# Altium PCB PCB1.PcbDoc (part 1 of 2) (continued)
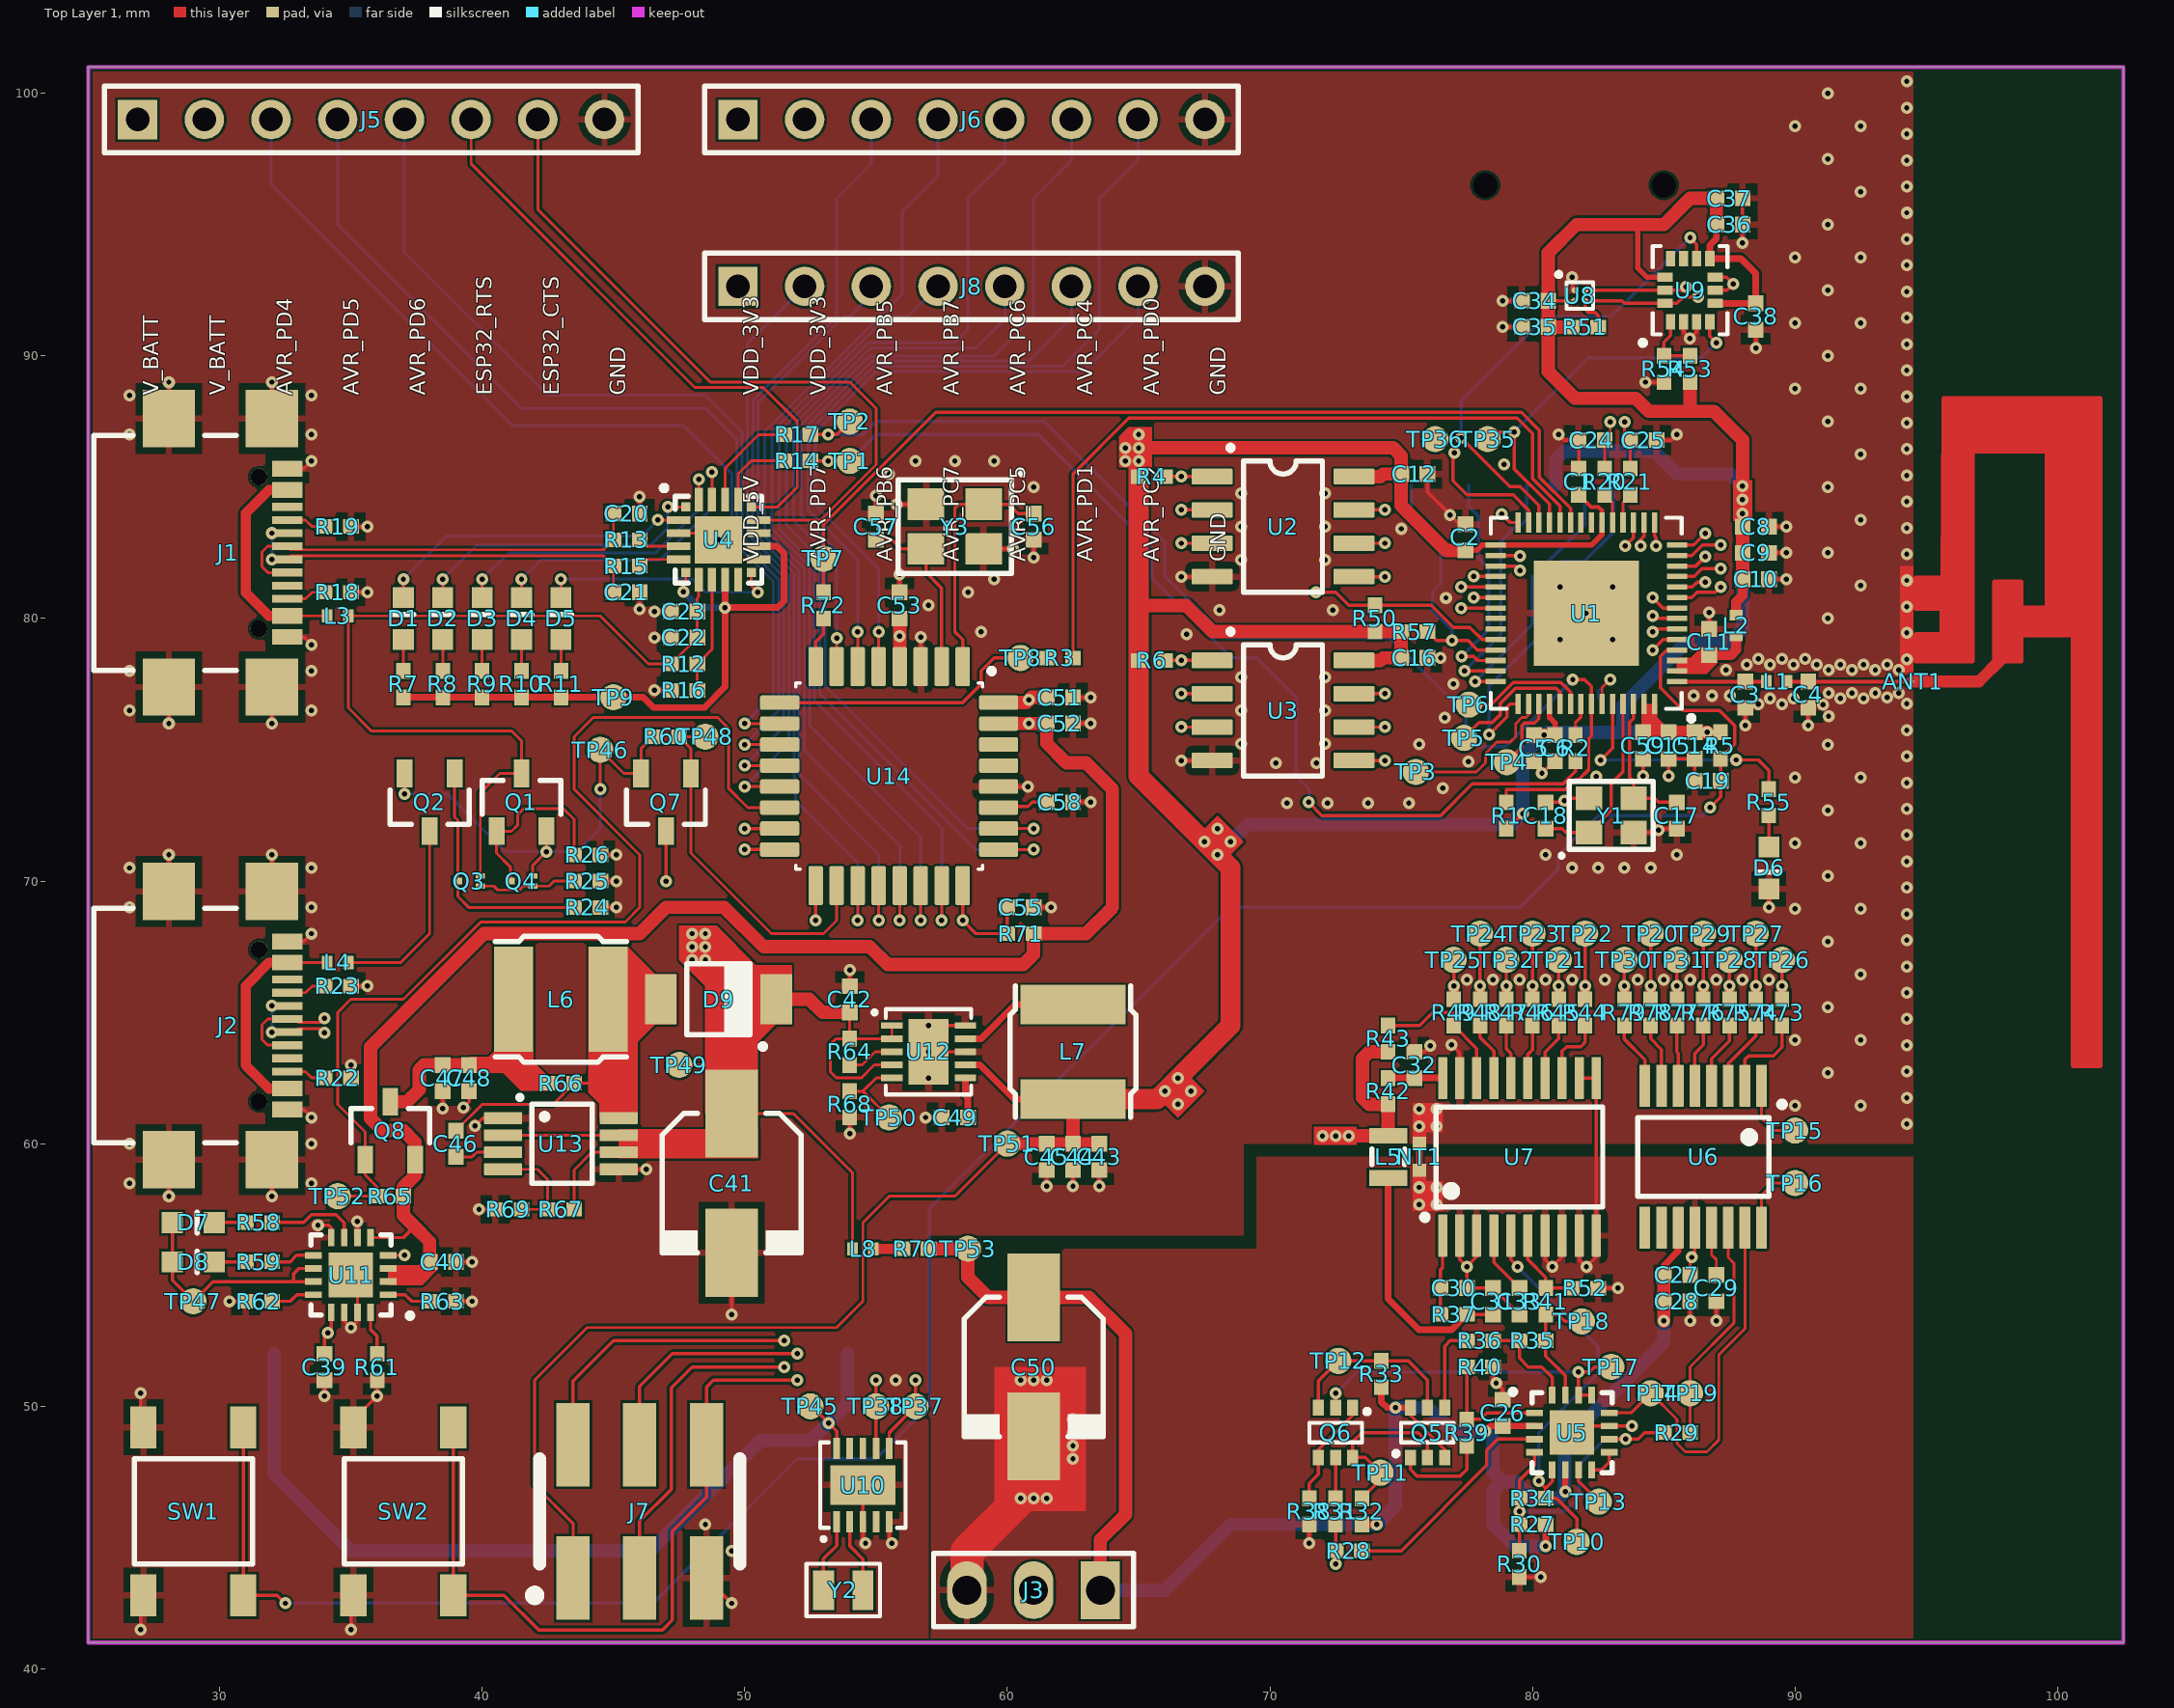
[diagram p0: Top Layer 1 view]
## Footprints (in the part's own frame and the unit in brackets; to place one, negate y for a bottom-side part, rotate by r counter-clockwise, add the part's x,y. Pads: shape width x height; smd on the part's side, far side on the other; paste and mask are expansions set on the pad) (continued)
  rect 1.7x1.7 smd mask+0.05: 17(0,0)
  silkscreen extent -2.35,-1.53 1.53,1.65, body extent -1.52,-1.55 1.52,1.49, height 0.9
IC,QFN-20,3x3,PAD [mm] "Silicon Labs CP2102N-A02-GQFN20"
  rect 0.35x0.35 smd mask+0.05: 1(-1.25,1.25) 6(-1.25,-1.25) 11(1.25,-1.25) 16(1.25,1.25)
  rect 0.9x0.3 smd mask+0.05: 2(-1.525,0.75) 3(-1.525,0.25) 4(-1.525,-0.25) 5(-1.525,-0.75) 12(1.525,-0.75) 13(1.525,-0.25) 14(1.525,0.25) 15(1.525,0.75)
  rect 0.3x0.9 smd mask+0.05: 7(-0.75,-1.525) 8(-0.25,-1.525) 9(0.25,-1.525) 10(0.75,-1.525) 17(0.75,1.525) 18(0.25,1.525) 19(-0.25,1.525) 20(-0.75,1.525)
  rect 1.8x1.8 smd mask+0.05: 21(0,0)
  silkscreen extent -2.17,-1.65 1.65,2.07, body extent -1.5,-1.5 1.5,1.5, height 0.62
IC,QFN-56,7X7,P0.4MM [mil] "Espressif Systems ESP32-S2"
  rect 30x8 smd paste+0 mask+0: 1(-136,102.36) 2(-136,86.61) 3(-136,70.87) 4(-136,55.12) 5(-136,39.37) 6(-136,23.62) 7(-136,7.87) 8(-136,-7.87) 9(-136,-23.62) 10(-136,-39.37) 11(-136,-55.12) 12(-136,-70.87) 13(-136,-86.61) 14(-136,-102.36) 29(136,-102.36) 30(136,-86.61) 31(136,-70.87) 32(136,-55.12) 33(136,-39.37) 34(136,-23.62) 35(136,-7.87) 36(136,7.87) 37(136,23.62) 38(136,39.37) 39(136,55.12) 40(136,70.87) 41(136,86.61) 42(136,102.36)
  rect 8x30 smd paste+0 mask+0: 15(-102.36,-136) 16(-86.61,-136) 17(-70.87,-136) 18(-55.12,-136) 19(-39.37,-136) 20(-23.62,-136) 21(-7.87,-136) 22(7.87,-136) 23(23.62,-136) 24(39.37,-136) 25(55.12,-136) 26(70.87,-136) 27(86.61,-136) 28(102.36,-136) 43(102.36,136) 44(86.61,136) 45(70.87,136) 46(55.12,136) 47(39.37,136) 48(23.62,136) 49(7.87,136) 50(-7.87,136) 51(-23.62,136) 52(-39.37,136) 53(-55.12,136) 54(-70.87,136) 55(-86.61,136) 56(-102.36,136)
  rect 158x158 smd paste-78.5 mask+0: 57(0,0)
  silkscreen extent -161,-143 143,161, body extent -139,-139 139,139, height 35
IC,SOIC-8,1.27mm,W3.9 [mm] "Texas Instruments NE5532APSR"
  rrect10% 1.55x0.6 smd mask+0.05: 1(-2.7,1.905) 2(-2.7,0.635) 3(-2.7,-0.635) 4(-2.7,-1.905) 5(2.7,-1.905) 6(2.7,-0.635) 7(2.7,0.635) 8(2.7,1.905)
  silkscreen extent -2.07,-2.5 1.5,3.07, body extent -3,-2.45 3,2.45, height 1.5
IC,TQFP-32,7x7,P0.8MM [mm] "Microchip Technology ATMEGA8U2-AURCT-ND"
  rrect25% 1.49x0.55 smd: 1(-4.17,2.8) 2(-4.17,2) 3(-4.17,1.2) 4(-4.17,0.4) 5(-4.17,-0.4) 6(-4.17,-1.2) 7(-4.17,-2) 8(-4.17,-2.8) 17(4.17,-2.8) 18(4.17,-2) 19(4.17,-1.2) 20(4.17,-0.4) 21(4.17,0.4) 22(4.17,1.2) 23(4.17,2) 24(4.17,2.8)
  rrect25% 0.55x1.49 smd: 9(-2.8,-4.17) 10(-2,-4.17) 11(-1.2,-4.17) 12(-0.4,-4.17) 13(0.4,-4.17) 14(1.2,-4.17) 15(2,-4.17) 16(2.8,-4.17) 25(2.8,4.17) 26(2,4.17) 27(1.2,4.17) 28(0.4,4.17) 29(-0.4,4.17) 30(-1.2,4.17) 31(-2,4.17) 32(-2.8,4.17)
  silkscreen extent -4.1,-3.55 3.55,4, body extent -4.5,-4.5 4.5,4.5, height 1.45
IC,TSSOP-8,W3.0 [mm] "Texas Instruments LM393ADGKR"
  rrect10% 1.45x0.45 smd mask+0.05: 1(-2.2,0.975) 2(-2.2,0.325) 3(-2.2,-0.325) 4(-2.2,-0.975) 5(2.2,-0.975) 6(2.2,-0.325) 7(2.2,0.325) 8(2.2,0.975)
  silkscreen extent -1.61,-1.5 1.2,1.81, body extent -2.05,-1.55 2.05,1.55, height 1.1
IC,TSSOP-16,W3.9,P0.635MM [mm] "Texas Instruments PCM1780DBQR"
  rrect10% 1.6x0.41 smd mask+0.05: 1(-2.7,2.223) 2(-2.7,1.588) 3(-2.7,0.952) 4(-2.7,0.318) 5(-2.7,-0.318) 6(-2.7,-0.953) 7(-2.7,-1.587) 8(-2.7,-2.222) 9(2.7,-2.223) 10(2.7,-1.588) 11(2.7,-0.952) 12(2.7,-0.318) 13(2.7,0.318) 14(2.7,0.953) 15(2.7,1.587) 16(2.7,2.222)
  silkscreen extent -2.09,-2.5 1.5,3.09, body extent -3,-2.49 3,2.49, height 1.1
IC,TSSOP-20,W4.4 [mm] "Texas Instruments SN74LVC244APWR"
  rrect10% 1.6x0.35 smd mask+0.05: 1(-3,2.925) 2(-3,2.275) 3(-3,1.625) 4(-3,0.975) 5(-3,0.325) 6(-3,-0.325) 7(-3,-0.975) 8(-3,-1.625) 9(-3,-2.275) 10(-3,-2.925) 11(3,-2.925) 12(3,-2.275) 13(3,-1.625) 14(3,-0.975) 15(3,-0.325) 16(3,0.325) 17(3,0.975) 18(3,1.625) 19(3,2.275) 20(3,2.925)
  silkscreen extent -2.39,-3.18 1.9,3.69, body extent -3.27,-3.3 3.28,3.3, height 1.2
IC,WLP,2x2,P0.4mm [mm] "Memsic Inc. MMC5633NJL"
  round 0.23 smd mask+0.05: A1(0,0) A2(0.4,0) B1(0,-0.4) B2(0.4,-0.4)
  silkscreen extent -0.67,-0.7 0.7,0.67, body extent -0.24,-0.64 0.64,0.24, height 0.61
ind,0402 [mm] "Murata LQW15AN9N1G00D"
  rect 0.4x0.5 smd: 1(-0.4,0) 2(0.4,0)
  body extent -0.56,-0.26 0.56,0.26, height 0.65
IND,0402 [mm] "Murata LQW15AN9N1G00D"
  rect 0.4x0.5 smd: 1(-0.4,0) 2(0.4,0)
  body extent -0.56,-0.26 0.56,0.26, height 0.65
IND,0805 [mm] "Taiyo Yuden LBR2012T100K"
  rect 0.6x1.45 smd mask+0.05: 1(-0.8,0) 2(0.8,0)
  silkscreen extent -0.3,-0.63 0.3,0.63, body extent -1,-0.62 1,0.63, height 0.49
IND,WIREWOUND,4.9x4.9,SMD [mm] "Taiyo Yuden NRS5030T4R7MMGJV"
  rect 1.5x4 smd mask+0.05: 1(-1.8,0) 2(1.8,0)
  silkscreen extent -2.5,-2.4 2.5,2.4, body extent -2.45,-2.45 2.45,2.45, height 3
LED,0603 [mm] "Stanley Electric Co THG1111C-0005-TR"
  rect 0.8x0.8 smd mask+0.05: 1(-0.8,0) 2(0.8,0)
  silkscreen extent 0.15,-0.4 0.15,0.4, body extent -0.81,-0.37 0.84,0.36, height 0.68
"Net Tie,20x60mil" [mil] "Net Tie,20x60mil,10mil Track"
  rect 20x20 smd mask+4: 1(-20,0) 2(20,0)
  Top Layer 1 lines w10: 20,0 -20,0
RES,0402 [mm] "Yageo RC0402FR-0722RL"
  rect 0.6x0.55 smd: 1(-0.5,0) 2(0.5,0)
  body extent -0.5,-0.25 0.5,0.25, height 0.35
SOD128 [mm] "Nexperia PMEG6030EVPX"
  rect 1.2x1.9 smd mask+0.05: 1(-2.2,0) 2(2.2,0)
  silkscreen extent -1.76,-1.35 1.2,1.88, body extent -2.5,-1.35 2.5,1.35, height 1.1
SOT23-3 [mm] "Texas Instruments TL431BIDBZR"
  rect 1.05x0.6 smd: 1(-1.1,0.95) 2(-1.1,-0.95) 3(1.1,0)
  silkscreen extent -0.46,-1.5 0.84,1.5, body extent -1.25,-1.46 1.23,1.46, height 1
SOT363 [mm] "Diodes Incorporated BCM847BS-7"
  rect 0.6x0.42 smd mask+0.05: 1(-0.95,0.65) 2(-0.95,0) 3(-0.95,-0.65) 4(0.95,-0.65) 5(0.95,0) 6(0.95,0.65)
  silkscreen extent -0.88,-1 0.38,1.28, body extent -1.05,-1 1.05,1, height 0.92
SOT1123 [mm] "ON Semiconductor NST3904F3T5G"
  rect 0.34x0.2 smd: 1(-0.43,0.19) 2(-0.43,-0.19)
  rect 0.34x0.26 smd: 3(0.43,0)
  body extent -0.51,-0.3 0.51,0.3, height 0.4
Switch,Tactile,Micro,SPST-NO,SMD [mm] "C&K PTS645SK43SMTR92 LFS"
  rect 1.6x1 smd mask+0.05: 1(-3.2,1.9) 2(3.2,1.9) 3(-3.2,-1.9) 4(3.2,-1.9)
  silkscreen extent -2,-2.25 2,2.25, body extent -3.2,-2.6 3.2,2.6, height 1.5
Term,Header,3Pin,2.54mm [mm] "Würth Elektronik 61300311121"
  rect 1.5x2.2 hole 1.1 mask+0.05: 1(-2.54,0)
  oval 1.5x2.2 hole 1.1 mask+0.05: 2(0,0) 3(2.54,0)
  silkscreen extent -3.81,-1.4 3.81,1.4, body extent -3.81,-1.27 3.81,1.27, height 8.57
TERM,HEADER,3X2PIN,P2.54,SMD [mm] "Amphenol ICC (FCI) 10129383-906002ALF"
  rect 3.18x1.27 smd mask+0.05: 1(-2.54,2.54) 2(-2.54,0) 3(-2.54,-2.54) 4(2.54,-2.54) 5(2.54,0) 6(2.54,2.54)
  silkscreen extent -3.32,-3.81 2,4.12, body extent -3.68,-3.81 3.68,3.81, height 11.78
Term,Header,8Pin,2.54mm [mm] "Würth Elektronik 61300811121"
  rect 1.5x1.5 hole 0.9: 1(0,0)
  round 1.5 hole 0.9: 2(2.54,0) 3(5.08,0) 4(7.62,0) 5(10.16,0) 6(12.7,0) 7(15.24,0) 8(17.78,0)
  silkscreen extent -1.27,-1.27 19.05,1.27, body extent -1.26,-1.27 19.06,1.27, height 8.57
testpoint,smd,round,1mm [mm]
  round 1 smd: 1(0,0)
XTAL,SMD,2PIN,2.0x1.2MM [mm] "Micro Crystal AG CM8V-T1A-32.768KHZ-9PF-20PPM-TA-QC"
  rect 0.8x1.5 smd: 1(-0.75,0) 2(0.75,0)
  silkscreen extent -1.4,-1 1.4,1, body extent -1,-0.6 1,0.6, height 0.6
"XTAL,SMD,4 Pin" [mm] "Abracon ABM8G-12.000MHZ-4Y-T3"
  rect 1.4x1.2 smd: 1(-1.1,-0.85) 2(1.1,-0.85) 3(1.1,0.85) 4(-1.1,0.85)
  silkscreen extent -2.59,-2.08 2.16,1.78, body extent -1.6,-1.24 1.6,1.24, height 0.99
"XTAL,SMD,4 Pin,2x2.5mm" [mm] "Hosonic Electronic Co., Ltd E2SB40E000104E"
  rect 1x0.9 smd: 1(-0.85,-0.65) 2(0.85,-0.65) 3(0.85,0.65) 4(-0.85,0.65)
  silkscreen extent -1.94,-1.58 1.6,1.3, body extent -1.25,-1 1.25,1, height 0.65

## Part data
ANT1: library part ANT,2.45GHz,IFA,PCB, "2.4-GHz Inverted F Antenna", Manufacturer=N/A, CreatedBy="Judd Foster", HelpURL=https://www.ti.com/lit/an/swru120d/swru120d.pdf?ts=1646240772720&ref_url=https%253A%252F%252Fwww.google.com%252F, Manufacturer Part Number=N/A, Vendor=N/A, Vendor Part Number=N/A
B1: library part Holder,Cell,CR2032,PCB,SMD, "Battery Retainer Coin, 20.0mm 1 Cell SMD (SMT) Tab", Manufacturer="Keystone Electronics", Manufacturer Part Number=3034, Vendor Part Number=36-3034-ND, CreatedBy="Judd Foster", HelpURL=https://www.keyelco.com/userAssets/file/M65p9.pdf, Vendor=Digikey
C1 C2 C6 C10 C11 C12 C16 C23 C26 C27 C30 C32 C34 C36 C38 C49 C52 C53: library part CAP,Cer,100nF,25VDC,X7R,0402, "0.1µF ±10% 25V Ceramic Capacitor X7R 0402 (1005 Metric)", Manufacturer="Murata Electronics", Manufacturer Part Number=GRM155R71E104KE14J, Vendor Part Number=490-14603-1-ND, CreatedBy="Judd Foster", HelpURL=https://search.murata.co.jp/Ceramy/image/img/A01X/G101/ENG/GRM155R71E104KE14-01.pdf, Vendor=Digikey
C3 C46: library part CAP,Cer,4.8pF,50VDC,C0G/NP0,0402, "4.8 pF ±0.25pF 50V Ceramic Capacitor C0G, NP0 0402 (1005 Metric)", Manufacturer="Murata Electronics", Manufacturer Part Number=GCQ1555C1H4R8CB01D, Vendor Part Number=490-17481-1-ND, CreatedBy="Judd Foster", HelpURL=https://search.murata.co.jp/Ceramy/image/img/A01X/G101/ENG/GCQ1555C1H4R8CB01-01.pdf, Vendor=Digikey
C4: library part CAP,Cer,3.9pF,50VDC,C0G/NP0,0402, "3.9 pF ±0.1pF 50V Ceramic Capacitor C0G, NP0 0402 (1005 Metric)", Manufacturer=KEMET, Manufacturer Part Number=CBR04C399B5GAC, Vendor Part Number=399-CBR04C399B5GACCT-ND, CreatedBy="Judd Foster", HelpURL=https://api.kemet.com/component-edge/download/datasheet/CBR04C399B5GAC.pdf, Vendor=Digikey
C5 C9 C14 C31 C35 C37 C39 C55 C58: library part CAP,Cer,1uF,35VDC,X5R,0402, "1 µF ±10% 35V Ceramic Capacitor X5R 0402 (1005 Metric)", Manufacturer="TDK Corporation", Manufacturer Part Number=C1005X5R1V105K050BC, Vendor Part Number=445-9073-1-ND, CreatedBy="Judd Foster", HelpURL=https://product.tdk.com/info/en/catalog/datasheets/mlcc_commercial_general_en.pdf?ref_disty=digikey, Vendor=Digikey
C8 C28 C29 C33 C42 C43 C44 C45 C47 C48 C51: library part CAP,Cer,10uF,10VDC,X5R,0402, "10 µF ±20% 10V Ceramic Capacitor X5R 0402 (1005 Metric)", Manufacturer="Samsung Electro-Mechanics", Manufacturer Part Number=CL05A106MP5NUNC, Vendor Part Number=1276-1450-1-ND, CreatedBy="Judd Foster", HelpURL=https://media.digikey.com/pdf/Data%20Sheets/Samsung%20PDFs/CL05A106MP5NUNC_Spec.pdf, Vendor=Digikey
C15 C59: library part CAP,Cer,100pF,50VDC,C0G/NP0,0402, "100pF ±5% 50V Ceramic Capacitor C0G, NP0 0402 (1005 Metric)", Manufacturer="Murata Electronics", Manufacturer Part Number=GCM1555C1H101JA16D, Vendor Part Number=490-10669-1-ND, CreatedBy="Judd Foster", HelpURL=https://www.murata.com/~/media/webrenewal/support/library/catalog/products/capacitor/mlcc/c03e.ashx?la=en-us, Vendor=Digikey
C17 C18 C56 C57: library part CAP,Cer,12pF,50VDC,C0G/NP0,0402, "12pF ±5% 50V Ceramic Capacitor C0G, NP0 0402 (1005 Metric)", Manufacturer=Yageo, Manufacturer Part Number=CC0402JRNPO9BN120, Vendor Part Number=311-1016-1-ND, CreatedBy="Judd Foster", HelpURL=https://www.yageo.com/upload/media/product/productsearch/datasheet/mlcc/UPY-GP_NP0_16V-to-50V_18.pdf, Vendor=Digikey
C19: library part CAP,Cer,1uF,6.3VDC,X5R,0402, "1µF ±20% 6.3V Ceramic Capacitor X5R 0402 (1005 Metric)", Manufacturer="Samsung Electro-Mechanics", Manufacturer Part Number=CL05A105MQ5NNNC, Vendor Part Number=1276-1235-1-ND, CreatedBy="Judd Foster", HelpURL=https://media.digikey.com/pdf/Data%20Sheets/Samsung%20PDFs/CL_Series_MLCC_ds.pdf, Vendor=Digikey
C20 C21: library part CAP,Cer,47pF,50VDC,C0G/NP0,0402, "47pF ±5% 50V Ceramic Capacitor C0G, NP0 0402 (1005 Metric)", Manufacturer="Walsin Technology Corporation", Manufacturer Part Number=0402N470J500CT, Vendor Part Number=1292-1325-1-ND, CreatedBy="Judd Foster", HelpURL=http://www.passivecomponent.com/wp-content/uploads/2018/10/MLCC.pdf, Vendor=Digikey
C22 C40: library part CAP,Cer,4.7uF,16VDC,X5R,0402, "4.7 µF ±20% 16V Ceramic Capacitor X5R 0402 (1005 Metric)", Manufacturer="AVX Corporation", Manufacturer Part Number=0402YD475MAT2A, Vendor Part Number=478-10788-1-ND, CreatedBy="Judd Foster", HelpURL=https://datasheets.avx.com/cx5r.pdf, Vendor=Digikey
C24 C25: library part CAP,Cer,22pF,25VDC,C0G/NP0,0402, "22pF ±5% 25V Ceramic Capacitor C0G, NP0 0402 (1005 Metric)", Manufacturer="Walsin Technology Corporation", Manufacturer Part Number=0402N220J250CT, Vendor Part Number=1292-1282-1-ND, CreatedBy="Judd Foster", HelpURL=http://www.passivecomponent.com/wp-content/uploads/ecd/0402N220J250CT-IN.pdf, Vendor=Digikey
C41 C50: library part CAP,Alum,100uF,10VDC,SMD, "CAP ALUM 100UF 20% 10V SMD", Manufacturer=Panasonic, Manufacturer Part Number=EEE-1AA101WR, Vendor Part Number=PCE3867CT-ND, CreatedBy="Judd Foster", HelpURL=https://media.digikey.com/pdf/Data%20Sheets/Panasonic%20Electronic%20Components/S_Series,Type_V_Rev2018.pdf, Vendor=Digikey
D1 D2 D3 D4 D5 D6 D7 D8: library part LED,Green,SMD,0603, "Green 530nm LED Indication - Discrete 3V 0603 (1608 Metric)", Manufacturer="Stanley Electric Co", Manufacturer Part Number=THG1111C-0005-TR, Vendor Part Number=404-1286-1-ND, CreatedBy="Judd Foster", HelpURL=http://www.stanley-components.com/php/downloaddatafile.php?rp=0,THG1111C-0005_e.pdf, Vendor=Digikey
D9: library part DIODE,Schottky,40V,3A,SMD, "Diode Schottky 40V 3A Surface Mount CFP5", Manufacturer="Nexperia USA Inc.", Vendor Part Number=1727-5841-1-ND, CreatedBy="Judd Foster", HelpURL=https://assets.nexperia.com/documents/data-sheet/PMEG4030EP.pdf, Manufacturer Part Number=PMEG4030EP,115, Vendor=Digikey
J1 J2: library part Conn,USB_C,SMD, "USB-C (USB TYPE-C) USB 2.0 Receptacle Connector 24 (16+8 Dummy) Position Surface Mount, Right Angle", Manufacturer=GCT, Manufacturer Part Number=USB4110-GF-A, Vendor Part Number=2073-USB4110-GF-A-1-ND, CreatedBy="Judd Foster", HelpURL=https://gct.co/files/drawings/usb4110.pdf, Vendor=Digikey
J3: "CONN HEADER VERT 3POS 2.54MM", Manufacturer="Würth Elektronik", Manufacturer Part Number=61300311121, Vendor Part Number=732-5316-ND, Created By="Judd Foster", HelpURL=https://katalog.we-online.de/em/datasheet/6130xx11121.pdf, Vendor=Digikey
J4: library part Conn,MicroSD,SMD,Push-Push, "9 (8 + 1) Position Card Connector Secure Digital - microSD™ Surface Mount, Right Angle Gold", Manufacturer=GCT, Manufacturer Part Number=MEM2075-00-140-01-A, Vendor Part Number=2073-MEM2075-00-140-01-ACT-ND, CreatedBy="Judd Foster", HelpURL=https://gct.co/files/specs/MEM2075-SPEC.pdf, Vendor=Digikey
J5 J6 J8: "CONN HEADER VERT 8POS 2.54MM", Manufacturer="Würth Elektronik", Manufacturer Part Number=61300811121, Vendor Part Number=732-5321-ND, Created By="Judd Foster", HelpURL=https://katalog.we-online.de/em/datasheet/6130xx11121.pdf, Vendor=Digikey
J7: "Connector Header Surface Mount 6 position 0.100\" (2.54mm)", Manufacturer="Amphenol ICC (FCI)", Manufacturer Part Number=10129383-906002ALF, Vendor Part Number=609-10129383-906002ALFCT-ND, CreatedBy="Judd Foster", HelpURL=https://cdn.amphenol-icc.com/media/wysiwyg/files/drawing/10129383.pdf, Vendor=Digikey
L1: library part IND,1.8nH,900mA,Multilayer,0402, "1.8 nH Unshielded Multilayer Inductor 900 mA 100mOhm Max 0402 (1005 Metric)", Manufacturer="Murata Electronics", Manufacturer Part Number=LQG15HN1N8S02D, Vendor Part Number=490-1076-1-ND, CreatedBy="Judd Foster", HelpURL=https://search.murata.co.jp/Ceramy/image/img/P02/JELF243B-0009.pdf, Vendor=Digikey
L2: library part IND,2.7nH,800mA,Multilayer,0402, "2.7nH Unshielded Multilayer Inductor 800mA 150mOhm Max 0402 (1005 Metric)", Manufacturer="Murata Electronics", Manufacturer Part Number=LQG15HS2N7S02D, Vendor Part Number=490-2615-1-ND, CreatedBy="Judd Foster", HelpURL=https://psearch.en.murata.com/inductor/product/LQG15HS2N7S02_.pdf, Vendor=Digikey
L3 L4 L8: library part Ferrite,470R@100MHz,0402, "470 Ohms @ 100 MHz 1 Power Line Ferrite Bead 0402 (1005 Metric) 1A 200mOhm", Manufacturer="Murata Electronics", Manufacturer Part Number=BLM15PX471SN1D, Vendor Part Number=490-10662-1-ND, CreatedBy="Judd Foster", HelpURL=https://www.murata.com/en-us/products/productdata/8796740059166/ENFA0018.pdf, Vendor=Digikey
L5: library part IND,4.7uH,80mA,Multilayer,0805, "4.7 µH Shielded Multilayer Inductor 80 mA 300mOhm 0805 (2012 Metric)", Manufacturer="TDK Corporation", Manufacturer Part Number=MLZ2012E4R7MT000, Vendor Part Number=445-3169-1-ND, CreatedBy="Judd Foster", HelpURL=https://product.tdk.com/en/system/files?file=dam/doc/product/inductor/inductor/smd/catalog/inductor_commercial_decoupling_mlz2012_en.pdf, Vendor=Digikey
L6 L7: library part IND,4.7uH,2.6A,Wirewound,SMD, "4.7µH Shielded Wirewound Inductor 2.6A 45.5mOhm Max Nonstandard", Manufacturer="Taiyo Yuden", Manufacturer Part Number=NRS5030T4R7MMGJV, Vendor Part Number=587-3605-1-ND, CreatedBy="Judd Foster", HelpURL=https://ds.yuden.co.jp/TYCOMPAS/ut/detail?pn=NRS5030T4R7MMGJV%20%20&u=M, Vendor=Digikey
NT1: Manufacturer=N/A, CreatedBy="Makan Mousavi", HelpURL=N/A, Manufacturer Part Number=N/A, Vendor=N/A, Vendor Part Number=N/A
Q1 Q2 Q7 Q8: library part "MOSFET,P Ch,20V,3.2A", "P-Channel 20 V 3.2A (Ta) 1.4W (Ta) Surface Mount SOT-23-3", Manufacturer="Diodes Incorporated", Vendor Part Number=DMP2160UDICT-ND, CreatedBy="Judd Foster", HelpURL=https://media.digikey.com/pdf/Data%20Sheets/Diodes%20PDFs/DMP2160U.pdf, Manufacturer Part Number=DMP2160U-7, Vendor=Digikey
Q3 Q4: library part Trans,PNP,40V,200mA,SOT1123, "Bipolar (BJT) Transistor PNP 40 V 200 mA 250MHz 290 mW Surface Mount SOT-1123", Manufacturer="ON Semiconductor", Vendor Part Number=NST3906F3T5GOSCT-ND, CreatedBy="Judd Foster", HelpURL=https://www.onsemi.com/pdf/datasheet/nst3906f3-d.pdf, Manufacturer Part Number=NST3906F3T5G, Vendor=Digikey
Q5 Q6: library part Trans,Array,NPN/NPN,Matched,45V,100mA,SOT-363, "Bipolar (BJT) Transistor Array 2 NPN (Dual) Matched Pair 45V 100mA 100MHz 200mW Surface Mount SOT-363", Manufacturer="Diodes Incorporated", Vendor Part Number=31-BCM847BS-7CT-ND, CreatedBy="Judd Foster", HelpURL=https://www.diodes.com/assets/Datasheets/BCM847BS.pdf, Manufacturer Part Number=BCM847BS-7, Vendor=Digikey
R1 R4 R5 R6 R24 R25 R26 R43 R57 R60 R63 R65 R71: library part RES,10k,5%,0.063W,0402, "10 kOhms ±5% 0.063W, 1/16W Chip Resistor 0402 (1005 Metric) Automotive AEC-Q200 Thick Film", Manufacturer="Stackpole Electronics Inc", Manufacturer Part Number=RMCF0402JT10K0, Vendor Part Number=RMCF0402JT10K0CT-ND, CreatedBy="Judd Foster", HelpURL=https://www.seielect.com/catalog/sei-rmcf_rmcp.pdf, Vendor=DIgikey
R2 R3 R72: library part RES,499R,1%,0.063W,0402, "499 Ohms ±1% 0.063W, 1/16W Chip Resistor 0402 (1005 Metric) Automotive AEC-Q200 Thick Film", Manufacturer="Stackpole Electronics Inc", Manufacturer Part Number=RMCF0402FT499R, Vendor Part Number=RMCF0402FT499RCT-ND, CreatedBy="Judd Foster", HelpURL=https://www.seielect.com/catalog/sei-rmcf_rmcp.pdf, Vendor=Digikey
R7 R8 R9 R10 R11 R55: library part RES,150R,1%,0.1W,0402, "150 Ohms ±1% 0.063W, 1/16W Chip Resistor 0402 (1005 Metric) Automotive AEC-Q200, Moisture Resistant Thick Film", Manufacturer="TE Connectivity Passive Product", Manufacturer Part Number=CRGCQ0402F150R, Vendor Part Number=A129617CT-ND, CreatedBy="Judd Foster", HelpURL=https://www.te.com/commerce/DocumentDelivery/DDEController?Action=srchrtrv&DocNm=1773204-3&DocType=DS&DocLang=English, Vendor=Digikey
R12 R35 R40: library part RES,22k,1%,0.063W,0402, "22 kOhms ±1% 0.063W, 1/16W Chip Resistor 0402 (1005 Metric) Automotive AEC-Q200 Thick Film", Manufacturer="Stackpole Electronics Inc", Manufacturer Part Number=RMCF0402FT22K0, Vendor Part Number=RMCF0402FT22K0CT-ND, CreatedBy="Judd Foster", HelpURL=https://www.seielect.com/catalog/sei-rmcf_rmcp.pdf, Vendor=DIgikey
R13 R15: library part RES,27R,5%,0.063W,0402, "27 Ohms ±5% 0.063W, 1/16W Chip Resistor 0402 (1005 Metric) Automotive AEC-Q200 Thick Film", Manufacturer="Stackpole Electronics Inc", Manufacturer Part Number=RMCF0402JT27R0, Vendor Part Number=RMCF0402JT27R0CT-ND, CreatedBy="Judd Foster", HelpURL=https://www.seielect.com/catalog/sei-rmcf_rmcp.pdf, Vendor=DIgikey
R14 R17 R20 R21 R28 R31 R53 R54: library part RES,0R0,0.1W,0402, "0 Ohms Jumper 0.1W, 1/10W Chip Resistor 0402 (1005 Metric) Automotive AEC-Q200 Thick Film", Manufacturer="Panasonic Electronic Components", Manufacturer Part Number=ERJ-2GE0R00X, Vendor Part Number=P0.0JCT-ND, CreatedBy="Judd Foster", HelpURL=https://industrial.panasonic.com/cdbs/www-data/pdf/RDA0000/AOA0000C301.pdf, Vendor=Digikey
R16 R38: library part RES,47k,1%,0.1W,0402, "47 kOhms ±1% 0.1W, 1/10W Chip Resistor 0402 (1005 Metric) Automotive AEC-Q200 Thick Film", Manufacturer="Panasonic Electronic Components", Manufacturer Part Number=ERJ-2RKF4702X, Vendor Part Number=P47.0KLCT-ND, CreatedBy="Judd Foster", HelpURL=https://industrial.panasonic.com/cdbs/www-data/pdf/RDA0000/AOA0000C304.pdf, Vendor=Digikey
R18 R19 R22 R23: library part RES,5k11,1%,0.063W,0402, "5.11 kOhms ±1% 0.063W, 1/16W Chip Resistor 0402 (1005 Metric) Automotive AEC-Q200, Moisture Resistant Thick Film", Manufacturer=Yageo, Manufacturer Part Number=AC0402FR-075K11L, Vendor Part Number=13-AC0402FR-075K11LCT-ND, CreatedBy="Judd Foster", HelpURL=https://www.yageo.com/upload/media/product/productsearch/datasheet/rchip/PYu-AC_51_RoHS_L_7.pdf, Vendor=Digikey
R27 R30 R36 R39 R52: library part RES,1k,5%,0.063W,0402, "1 kOhms ±5% 0.063W, 1/16W Chip Resistor 0402 (1005 Metric) Automotive AEC-Q200 Thick Film", Manufacturer="Stackpole Electronics Inc", Manufacturer Part Number=RMCF0402JT1K00, Vendor Part Number=RMCF0402JT1K00CT-ND, CreatedBy="Judd Foster", HelpURL=https://www.seielect.com/catalog/sei-rmcf_rmcp.pdf, Vendor=DIgikey
R29 R32 R33: library part RES,56k,1%,0.063W,0402, "56 kOhms ±1% 0.1W, 1/10W Chip Resistor 0402 (1005 Metric) Automotive AEC-Q200 Thick Film", Manufacturer="Panasonic Electronic Components", Manufacturer Part Number=ERJ-2RKF5602X, Vendor Part Number=P56.0KLCT-ND, CreatedBy="Judd Foster", HelpURL=https://industrial.panasonic.com/cdbs/www-data/pdf/RDA0000/AOA0000C304.pdf, Vendor=Digikey
R34 R67: library part RES,300k,1%,0.063W,0402, "300 kOhms ±1% 0.063W, 1/16W Chip Resistor 0402 (1005 Metric) Automotive AEC-Q200 Thick Film", Manufacturer="Stackpole Electronics Inc", Manufacturer Part Number=RMCF0402FT300K, Vendor Part Number=RMCF0402FT300KCT-ND, CreatedBy="Judd Foster", HelpURL=https://www.seielect.com/catalog/sei-rmcf_rmcp.pdf, Vendor=Digikey
R37 R42 R44 R45 R46 R47 R48 R49 R70 R73 R74 R75 R76 R77 R78 R79: library part RES,10R,1%,0.063W,0402, "10 Ohms ±1% 0.063W, 1/16W Chip Resistor 0402 (1005 Metric) Automotive AEC-Q200 Thick Film", Manufacturer="Panasonic Electronic Components", Manufacturer Part Number=ERJ-2RKF10R0X, Vendor Part Number=P10.0LCT-ND, CreatedBy="Judd Foster", HelpURL=https://industrial.panasonic.com/cdbs/www-data/pdf/RDA0000/AOA0000C304.pdf, Vendor=Digikey
R41 R58 R59: library part RES,560R,1%,0.063W,0402, "560 Ohms ±1% 0.063W, 1/16W Chip Resistor 0402 (1005 Metric) Automotive AEC-Q200, Moisture Resistant Thick Film", Manufacturer="TE Connectivity Passive Product", Manufacturer Part Number=CRGCQ0402F560R, Vendor Part Number=A129624CT-ND, CreatedBy="Judd Foster", HelpURL=https://www.te.com/commerce/DocumentDelivery/DDEController?Action=srchrtrv&DocNm=1773204-3&DocType=DS&DocLang=English, Vendor=Digikey
R50 R51: library part RES,2k55,1%,0.063W,0402, "2.55 kOhms ±1% 0.063W, 1/16W Chip Resistor 0402 (1005 Metric) Automotive AEC-Q200 Thick Film", Manufacturer="Stackpole Electronics Inc", Manufacturer Part Number=RMCF0402FT2K55, Vendor Part Number=RMCF0402FT2K55CT-ND, CreatedBy="Judd Foster", HelpURL=https://www.seielect.com/catalog/sei-rmcf_rmcp.pdf, Vendor=Digikey
R61: library part RES,1k13,1%,0.063W,0402, "1.13 kOhms ±1% 0.063W, 1/16W Chip Resistor 0402 (1005 Metric) Automotive AEC-Q200 Thick Film", Manufacturer="Stackpole Electronics Inc", Manufacturer Part Number=RMCF0402FT1K13, Vendor Part Number=RMCF0402FT1K13CT-ND, CreatedBy="Judd Foster", HelpURL=https://www.seielect.com/catalog/sei-rmcf_rmcp.pdf, Vendor=Digikey
R62: library part RES,1k18,1%,0.063W,0402, "1.18 kOhms ±1% 0.063W, 1/16W Chip Resistor 0402 (1005 Metric) Automotive AEC-Q200 Thick Film", Manufacturer="Stackpole Electronics Inc", Manufacturer Part Number=RMCF0402FT1K18, Vendor Part Number=RMCF0402FT1K18CT-ND, CreatedBy="Judd Foster", HelpURL=https://www.seielect.com/catalog/sei-rmcf_rmcp.pdf, Vendor=Digikey
R64 R68 R69: library part RES,100k,5%,0.1W,0402, "100 kOhms ±5% 0.1W, 1/10W Chip Resistor 0402 (1005 Metric) Automotive AEC-Q200 Thick Film", Manufacturer="Panasonic Electronic Components", Manufacturer Part Number=ERJ-2GEJ104X, Vendor Part Number=P100KJCT-ND, CreatedBy="Judd Foster", HelpURL=https://b2b-api.panasonic.eu/file_stream/pids/fileversion/1242, Vendor=Digikey
R66: library part RES,75k,0.1%,0.063W,0402, "75 kOhms ±0.1% 0.063W, 1/16W Chip Resistor 0402 (1005 Metric) - Thin Film", Manufacturer=YAGEO, Manufacturer Part Number=RT0402BRE0775KL, Vendor Part Number=YAG4414CT-ND, CreatedBy="Judd Foster", HelpURL=https://www.yageo.com/upload/media/product/productsearch/datasheet/rchip/PYu-RT_1-to-0.01_RoHS_L_12.pdf, Vendor=DIgikey
SW1 SW2: library part Switch,Tactile,SPST-NO,SMD,H1.5, "Tactile Switch SPST-NO Top Actuated Surface Mount", Manufacturer=C&K, Manufacturer Part Number="PTS525SM15SMTR2 LFS", Vendor Part Number=CKN9104CT-ND, CreatedBy="Judd Foster", HelpURL=https://www.ckswitches.com/media/1467/pts525.pdf, Vendor=Digikey
TP1 TP2 TP3 TP4 TP5 TP6 TP7 TP8 TP9 TP10 TP11 TP12 TP13 TP14 TP15 TP16 TP17 TP18 TP19 TP20 TP21 TP22 TP23 TP24 TP25 TP26 TP27 TP28 TP29 TP30 TP31 TP32 TP35 TP36 TP37 TP38 TP39 TP40 TP41 TP42 TP43 TP44 TP45 TP46 TP47 TP48 TP49 TP50 TP51 TP52 TP53: "PCB Testpoint", Manufacturer=N/A, CreatedBy="Judd Foster", HelpURL=N/A, Manufacturer Part Number=N/A, Vendor=N/A, Vendor Part Number=N/A
U1: "IC RF TxRx + MCU Bluetooth, WiFi 802.11b/g/n, Bluetooth v5.0 2.412GHz ~ 2.484GHz 56-VFQFN Exposed Pad", Manufacturer="Espressif Systems", Vendor Part Number=1904-ESP32-S3R8-ND, CreatedBy="Judd Foster", HelpURL=https://www.espressif.com/sites/default/files/documentation/esp32-s3_datasheet_en.pdf, Manufacturer Part Number=ESP32-S3R8, Vendor=Digikey
U2: "SRAM Memory IC 1Mb (128K x 8) SPI - Quad I/O 16 MHz 8-SOIC", Manufacturer="Microchip Technology", Vendor Part Number=23LC1024-E/SN-ND, CreatedBy="Judd Foster", HelpURL=https://ww1.microchip.com/downloads/en/DeviceDoc/20005142C.pdf, Manufacturer Part Number=23LC1024-E/SN, Vendor=Digikey
U3: "FLASH - NOR Memory IC 128Mb (16M x 8) SPI - Quad I/O 133 MHz 8-SOIC", Manufacturer="Adesto Technologies", Vendor Part Number=1265-1348-1-ND, CreatedBy="Judd Foster", HelpURL=https://www.dialog-semiconductor.com/sites/default/files/2021-02/DS-AT25SF128A-168.pdf, Manufacturer Part Number=AT25SF128A-SHB-T, Vendor=Digikey
U4: "USB Bridge, USB to UART USB 2.0 UART Interface 20-QFN (3x3)", Manufacturer="Silicon Labs", Vendor Part Number=336-5885-ND, CreatedBy="Judd Foster", HelpURL=https://www.silabs.com/documents/public/data-sheets/cp2102n-datasheet.pdf, Manufacturer Part Number=CP2102N-A02-GQFN20, Vendor=Digikey
U5: "General Purpose Amplifier 4 Circuit Rail-to-Rail 16-WQFN (3x3)", Manufacturer="Texas Instruments", Vendor Part Number=296-51829-1-ND, CreatedBy="Judd Foster", HelpURL=https://www.ti.com/general/docs/suppproductinfo.tsp?distId=10&gotoUrl=https%3A%2F%2Fwww.ti.com%2Flit%2Fgpn%2Ftlv9004, Manufacturer Part Number=TLV9004SIRTER, Vendor=Digikey
U6: "DAC, Audio 24 b 200k I²S 16-SSOP", Manufacturer="Texas Instruments", Vendor Part Number=296-41373-1-ND, CreatedBy="Judd Foster", HelpURL=https://www.ti.com/general/docs/suppproductinfo.tsp?distId=10&gotoUrl=https%3A%2F%2Fwww.ti.com%2Flit%2Fgpn%2Fpcm1780, Manufacturer Part Number=PCM1780DBQR, Vendor=Digikey
U7: "24 Bit Analog to Digital Converter 1 Input 1 Sigma-Delta 20-TSSOP", Manufacturer="Microchip Technology", Vendor Part Number=150-MCP3561RT-E/STCT-ND, CreatedBy="Judd Foster", HelpURL=https://ww1.microchip.com/downloads/en/DeviceDoc/MCP3561.2.4R-Data-Sheet-DS200006391A.pdf, Manufacturer Part Number=MCP3561RT-E/ST, Vendor=Digikey
U8: "Magnetoresistive Sensor X, Y, Z Axis 4-WLP (0.85x0.85)", Manufacturer="Memsic Inc.", Vendor Part Number=1267-MMC5633NJLCT-ND, CreatedBy="Judd Foster", HelpURL=https://media.digikey.com/pdf/Data%20Sheets/MEMSIC%20PDFs/MMC5633NJL_RevA_3-12-20.pdf, Manufacturer Part Number=MMC5633NJL, Vendor=Digikey
U9: "Accelerometer, Gyroscope, Temperature, 6 Axis Sensor I²C, SPI Output", Manufacturer=STMicroelectronics, Vendor Part Number=497-19784-1-ND, CreatedBy="Judd Foster", HelpURL=https://www.st.com/resource/en/datasheet/ism330dhcx.pdf, Manufacturer Part Number=ISM330DHCXTR, Vendor=Digikey
U10: "Real Time Clock (RTC) IC Clock/Calendar - I²C, 2-Wire Serial 10-XFDFN Exposed Pad", Manufacturer="NXP USA Inc.", Vendor Part Number=568-10235-1-ND, CreatedBy="Judd Foster", HelpURL=https://www.nxp.com/docs/en/data-sheet/PCF85063A.pdf, Manufacturer Part Number=PCF85063ATL/1,118, Vendor=Digikey
U11: "Charger IC Lithium Ion 16-VQFN (3x3)", Manufacturer="Texas Instruments", Vendor Part Number=296-52627-1-ND, CreatedBy="Judd Foster", HelpURL=https://www.ti.com/general/docs/suppproductinfo.tsp?distId=10&gotoUrl=https%3A%2F%2Fwww.ti.com%2Flit%2Fgpn%2Fbq24076, Manufacturer Part Number=BQ24076RGTR, Vendor=Digikey
U12: "Buck Switching Regulator IC Positive Fixed 3.3V 1 Output 2A 10-UFDFN Exposed Pad", Manufacturer="Nisshinbo Micro Devices Inc.", Vendor Part Number=2129-RP506K331B-CT-ND, CreatedBy="Judd Foster", HelpURL=https://www.nisshinbo-microdevices.co.jp/en/pdf/datasheet/rp506-ea.pdf, Manufacturer Part Number=RP506K331B-TR, Vendor=Digikey
U13: "Boost Switching Regulator IC Positive Adjustable 1.24V 1 Output 2.2A (Switch) 8-TSSOP, 8-MSOP (0.118\", 3.00mm Width)", Manufacturer="Texas Instruments", Vendor Part Number=LM2623AMM/NOPBCT-ND, CreatedBy="Judd Foster", HelpURL=https://www.ti.com/general/docs/suppproductinfo.tsp?distId=10&gotoUrl=https%3A%2F%2Fwww.ti.com%2Flit%2Fgpn%2Flm2623, Manufacturer Part Number=LM2623AMM/NOPB, Vendor=Digikey
U14: "AVR series Microcontroller IC 8-Bit 16MHz 8KB (4K x 16) FLASH 32-TQFP (7x7)", Manufacturer="Microchip Technology", Manufacturer Part Number=ATMEGA8U2-AUR, CreatedBy="Judd Foster", HelpURL=https://ww1.microchip.com/downloads/en/DeviceDoc/7799S.pdf, Vendor=Digikey, Vendor Part Number=ATMEGA8U2-AURCT-ND
Y1: library part XTAL,40MHz,12pF,SMD, "40 MHz ±7ppm Crystal 12pF 25 Ohms 4-SMD, No Lead", Manufacturer="Hosonic Electronic Co., Ltd", Manufacturer Part Number=E2SB40E000104E, Vendor Part Number=3186-E2SB40E000104ECT-ND, CreatedBy="Judd Foster", HelpURL=https://ecsxtal.com/store/pdf/ECS-33B.pdf, Vendor=Digikey
Y2: library part XTAL,32.768kHz,9pF,SMD, "32.768 kHz ±20ppm Crystal 9pF 70 kOhms 2-SMD, No Lead", Manufacturer="Micro Crystal AG", Manufacturer Part Number=CM8V-T1A-32.768KHZ-9PF-20PPM-TA-QC, Vendor Part Number=2195-CM8V-T1A-32.768KHZ-9PF-20PPM-TA-QCCT-ND, CreatedBy="Judd Foster", HelpURL=https://www.microcrystal.com/fileadmin/Media/Products/32kHz/Datasheet/CM8V-T1A.pdf, Vendor=Digikey
Y3: library part XTAL,8MHz,12pF,SMD, "8 MHz ±20ppm Crystal 12pF 400 Ohms 4-SMD, No Lead", Manufacturer="ECS Inc.", Manufacturer Part Number=ECS-80-12-33-JGN-TR, Vendor Part Number=50-ECS-80-12-33-JGN-CT-ND, CreatedBy="Judd Foster", HelpURL=https://www.mouser.ca/datasheet/2/122/ecx_32-1100709.pdf, Vendor=Digikey

## Via types
v1: diameter 0.46, hole 0.2, Top Layer 1 to Bottom Layer 1, tented both sides, 474 vias

## Nets (pads, with @x,y where several pads share a name; then routed paths per layer and width w, separated by ;. In a path a pad name is that pad's centre, name@x,y a point inside that pad or via, vN(x,y) a via of type N, cw(c..) or ccw(c..) an arc to the next point about the centre after c; other vN are vias at no path point)
A_GND: C26.1 C27.1 C28.1 C29.2 C30.1 C31.1 C33.1 C50.2 J3.3 NT1.2 R30.1 R38.1 R40.1 R52.1 U5.11 U5.17 U6.12 U7.2 U7.3 U7.7 U7.8 U7.9 U7.10 U7.11 U7.12 | length 32.2
  Top Layer 1 w0.127: v1(71.5,44.779) R38.1@71.5,45.5 ; U7.2@77.225,56.5 77.225,55.596 v1(77.5,55.321) ; U7.3@77.875,56.5 77.875,55.696 v1(77.5,55.321) ; R40.1@78.5,51.5 78.5,51.004 v1(78.614,50.89) 78.857,50.648 C26.1@78.857,50.25 ; R30.1@79.5,43.5 v1(80.321,43.5) ; C33.1@79.5,53.5 C31.1@78.5,54.5 C30.1@77.5,54.5 v1(77.5,55.321) ; U7.7@80.475,56.5 80.475,55.596 v1(80.75,55.321) 81.125,55.696 U7.8@81.125,56.5 ; U5.17@81.5,49 81.75,49.25 U5.11@82.925,49.25 v1(83.793,49.25) ; U7.9@81.775,56.5 81.775,55.596 v1(82.05,55.321) 82.425,55.696 U7.10@82.425,56.5 U7.11@82.425,62.5 U7.12@81.775,62.5 ; R52.1@82.5,54.5 v1(83.25,54.5) ; v1(86,53.25) C28.1@86,54 ; C27.1@86,55 86,55.602 v1(86.071,55.673) 86.182,55.785 U6.12@86.182,56.8 ; v1(87,53.25) C29.2@87,54
  Top Layer 1 w0.508: v1(75.69,58.337) NT1.2@75.69,58.992
  Top Layer 1 w1.27: J3.3@58.46,43 58.46,44.46 v1(60.5,46.5)
  other v1: 61,46.5 61.5,46.5 62.5,48 62.5,48.5 62.5,49 62.5,49.5 60.5,51 61,51 61.5,51 75.69,57.682 76.345,57.682 76.345,58.337
AVR_MISO: J7.6 U14.17 | length 28.9
  Top Layer 1 w0.127: J7.6@43.46,48.54 43.46,50.96 45,52.5 v1(51.5,52.5) ; v1(52.7,68.5) U14.17@52.7,69.83
  Bottom Layer w0.127: v1(51.5,52.5) 51.5,67.3 v1(52.7,68.5)
AVR_MOSI: J7.2 U14.16 | length 34
  Top Layer 1 w0.127: J7.2@46,43.46 46,45.638 47.199,46.836 47.199,50.699 48,51.5 v1(51.5,51.5) ; v1(50,71.2) U14.16@51.33,71.2
  Bottom Layer w0.127: v1(50,71.2) 51,70.2 51,52 v1(51.5,51.5)
AVR_nRST: C55.1 J7.4 R71.2 SW2.3 SW2.4 U14.24 | length 55.3
  Top Layer 1 w0.127: SW2.4@38.9,49.2 SW2.3@38.9,42.8 40.836,42.8 42.161,41.475 46.864,41.475 47.248,41.859 47.248,45.248 48.54,46.54 J7.4@48.54,48.54 48.54,50.73 48.81,51 v1(52,51) ; U14.24@58.3,69.83 v1(58.3,68.5) 58.8,68 R71.2@60,68 C55.1@60,69
  Bottom Layer w0.127: v1(52,51) 52.492,51.492 52.492,54.008 52.492,66.992 53,67.5 57.3,67.5 v1(58.3,68.5)
AVR_PB5: J6.3 U14.19 | length 35.6
  Top Layer 1 w0.107: v1(54.3,68.5) U14.19@54.3,69.83
  Bottom Layer 1 w0.107: v1(54.3,68.5) 54.3,70.7 51.929,73.071 51.929,73.925 51.875,73.979 51.875,81.736 50.313,83.297 50.304,83.307 50.304,87.216 50.313,87.225 50.313,88.313 53.5,91.5 53.5,96 54.82,97.32 J6.3@54.82,99.214
AVR_PB6: J8.3 U14.20 | length 29.2
  Top Layer 1 w0.107: v1(55.1,68.5) U14.20@55.1,69.83
  Bottom Layer 1 w0.107: J8.3@55,92.5 54,91.5 53.778,91.5 50.51,88.232 50.51,87.144 50.5,87.134 50.5,83.388 50.51,83.379 52.071,81.817 52.071,74.06 55.1,71.031 v1(55.1,68.5)
AVR_PB7: J6.4 U14.21 | length 36.7
  Top Layer 1 w0.107: v1(55.9,68.5) U14.21@55.9,69.83
  Bottom Layer 1 w0.107: v1(55.9,68.5) 55.9,71.363 52.268,74.995 52.268,81.898 50.757,83.409 50.757,87.114 56,92.357 56,95.5 57.36,96.86 J6.4@57.36,99
AVR_PC2: J8.7 U14.5 | length 25.2
  Top Layer 1 w0.107: U14.5@55.1,78.17 v1(55.1,79.5)
  Bottom Layer 1 w0.107: v1(55.1,79.5) 55.1,81.9 52.688,84.312 52.688,87.101 53.293,87.707 54.998,89.411 62.911,89.411 64.98,91.48 J8.7@64.98,92.65
AVR_PC4: J6.6 U14.26 | length 40.7
  Top Layer 1 w0.107: U14.26@59.67,72 v1(61,72)
  Bottom Layer 1 w0.107: v1(61,72) 58.5,72 53.053,77.447 53.053,82.543 51.865,83.73 51.865,87.111 54.754,90 59.5,90 61,91.5 61,96 62.44,97.44 J6.6@62.44,99
AVR_PC5: J8.5 U14.25 | length 33.8
  Top Layer 1 w0.107: U14.25@59.67,71.2 v1(61,71.2)
  Bottom Layer 1 w0.107: J8.5@59.9,92.65 59.9,91.4 58.804,90.304 54.78,90.304 51.585,87.109 51.585,83.551 52.857,82.28 52.857,77.143 58.8,71.2 v1(61,71.2)
AVR_PC6: J6.5 U14.23 | length 39.9
  Top Layer 1 w0.107: v1(57.5,68.5) U14.23@57.5,69.83
  Bottom Layer 1 w0.107: v1(57.5,68.5) 57.5,72.025 52.66,76.865 52.66,82.061 51.311,83.41 51.311,87.112 54.699,90.5 58,90.5 58.5,91 58.5,96 59.9,97.4 J6.5@59.9,99
AVR_PC7: J8.4 U14.22 | length 30.9
  Top Layer 1 w0.107: v1(56.7,68.5) U14.22@56.7,69.83
  Bottom Layer 1 w0.107: v1(56.7,68.5) 56.7,71.694 52.464,75.93 52.464,81.98 51.031,83.412 51.031,87.11 55.421,91.5 56.21,91.5 J8.4@57.36,92.65
AVR_PD0: J6.7 U14.6 | length 31
  Top Layer 1 w0.107: U14.6@54.3,78.17 v1(54.3,79.5)
  Bottom Layer 1 w0.107: v1(54.3,79.5) 54.3,82.251 52.419,84.132 52.419,87.11 54.917,89.607 62.107,89.607 63.5,91 63.5,96 64.98,97.48 J6.7@64.98,99
AVR_PD1: J8.6 U14.7 | length 22.6
  Top Layer 1 w0.107: U14.7@53.5,78.17 53.5,79
  Bottom Layer 1 w0.107: v1(53.5,79.25) 53.5,82.578 52.145,83.934 52.145,87.113 54.835,89.804 60.804,89.804 62.44,91.44 J8.6@62.44,92.65
AVR_PD4: J5.3 U14.10 | length 36.5
  Top Layer 1 w0.107: v1(50,76) U14.10@51.33,76
  Bottom Layer 1 w0.107: J5.3@31.96,99 31.96,96.54 41.146,87.354 47.667,87.354 49.504,85.517 49.504,82.996 51.09,81.41 51.09,77.09 v1(50,76)
AVR_PD5: J5.4 U14.11 | length 36.7
  Top Layer 1 w0.107: v1(50,75.2) U14.11@51.33,75.2
  Bottom Layer 1 w0.107: J5.4@34.5,99 34.5,95 41.5,88 48.513,88 49.7,86.813 49.7,83.078 51.286,81.492 51.286,76.486 v1(50,75.2)
AVR_PD6: J5.5 U14.12 | length 36
  Top Layer 1 w0.107: v1(50,74.4) U14.12@51.33,74.4
  Bottom Layer 1 w0.107: J5.5@37.04,99 37.04,93.96 42.5,88.5 48.5,88.5 49.896,87.104 49.896,83.159 51.482,81.573 51.482,75.882 v1(50,74.4)
AVR_PD7: J8.2 U14.13 | length 22.6
  Top Layer 1 w0.107: v1(50,73.6) U14.13@51.33,73.6
  Bottom Layer 1 w0.107: v1(50,73.6) 51.679,75.279 51.679,81.654 50.093,83.24 50.093,90.463 J8.2@52.28,92.65
AVR_SCK: J7.5 U14.15 | length 32.7
  Top Layer 1 w0.127: J7.5@46,48.54 46,50.759 47.241,52 v1(52,52) ; v1(50,72) U14.15@51.33,72
  Bottom Layer w0.127: v1(50,72) 51.5,72 53.088,70.412 53.088,68.209 52,67.122 v1(52,52)
BIAS_OPAMP: R29.2 TP19.1 U6.14 | length 8.6
  Top Layer 1 w0.107: R29.2@86,49 TP19.1@86,50.5 86,51.5 87.666,53.166 87.666,55.457 87.453,55.67 U6.14@87.453,56.8
CHG_EN: Q7.1 R60.1 TP48.1 U14.18 | length 14
  Top Layer 1 w0.107: TP48.1@48.5,75.5 R60.1@47.5,75.5 47.95,75.05 Q7.1@47.95,74.1 47.95,71.068 51.018,68 53,68 53.5,68.5 U14.18@53.5,69.83
CP2102_USB_N: R15.2 U4.5 | length 1.6
  Top Layer 1 w0.107: R15.2@46,82 46.25,82.25 U4.5@47.475,82.25
CP2102_USB_P: R13.2 U4.4 | length 1.6
  Top Layer 1 w0.107: R13.2@46,83 46.25,82.75 U4.4@47.475,82.75
ESP32_MTDI: TP5.1 U1.47 | length 5.2
  Top Layer 1 w0.127: TP5.1@77.39,75.453 77.969,76.031 78.468,76.031 78.778,76.341 78.778,76.776 79.348,77.347 80.897,77.347 81.046,77.198 U1.47@81.046,76.746
ESP32_MTMS: TP6.1 U1.48 | length 4.8
  Top Layer 1 w0.127: TP6.1@77.577,76.719 78.415,76.719 79.259,77.562 81.076,77.562 81.446,77.193 U1.48@81.446,76.746
ESP32_UART_CTS: J5.7 U4.15 | length 26.9
  Top Layer 1 w0.107: J5.7@42.12,99 42.12,95.571 48.691,89 54,89 55,88 55,85.863 52.887,83.75 U4.15@50.525,83.75
ESP32_UART_MTCK: TP3.1 U1.44 | length 6.1
  Top Layer 1 w0.102: TP3.1@75.554,74.158 77.863,74.158 78.208,74.503 78.208,74.856 78.643,75.291 79.156,75.291 79.361,75.496 79.361,75.999 79.594,76.232 79.755,76.232 79.846,76.323 U1.44@79.846,76.746
ESP32_UART_MTDO: TP4.1 U1.45 | length 2.9
  Top Layer 1 w0.127: TP4.1@79.019,74.531 79.599,75.111 79.599,75.927 79.688,76.016 80.073,76.016 80.246,76.188 U1.45@80.246,76.746
ESP32_UART_RTS: J5.6 U4.16 | length 22.7
  Top Layer 1 w0.107: J5.6@39.58,99 39.58,97.318 48.095,88.804 50.696,88.804 52,87.5 52,85 51.25,84.25 U4.16@50.25,84.25